# Altium PCB mchf_pro_ui.PcbDoc (part 4 of 5)
Units mil, origin at the board's own origin, x right, y up, seen from the top; angles counter-clockwise.
Board outline 7877.73 x 5661.04 mil, 2 copper layers (Top Layer, Bottom Layer); 336 components, 338 nets, 1291 pads, 827 vias.
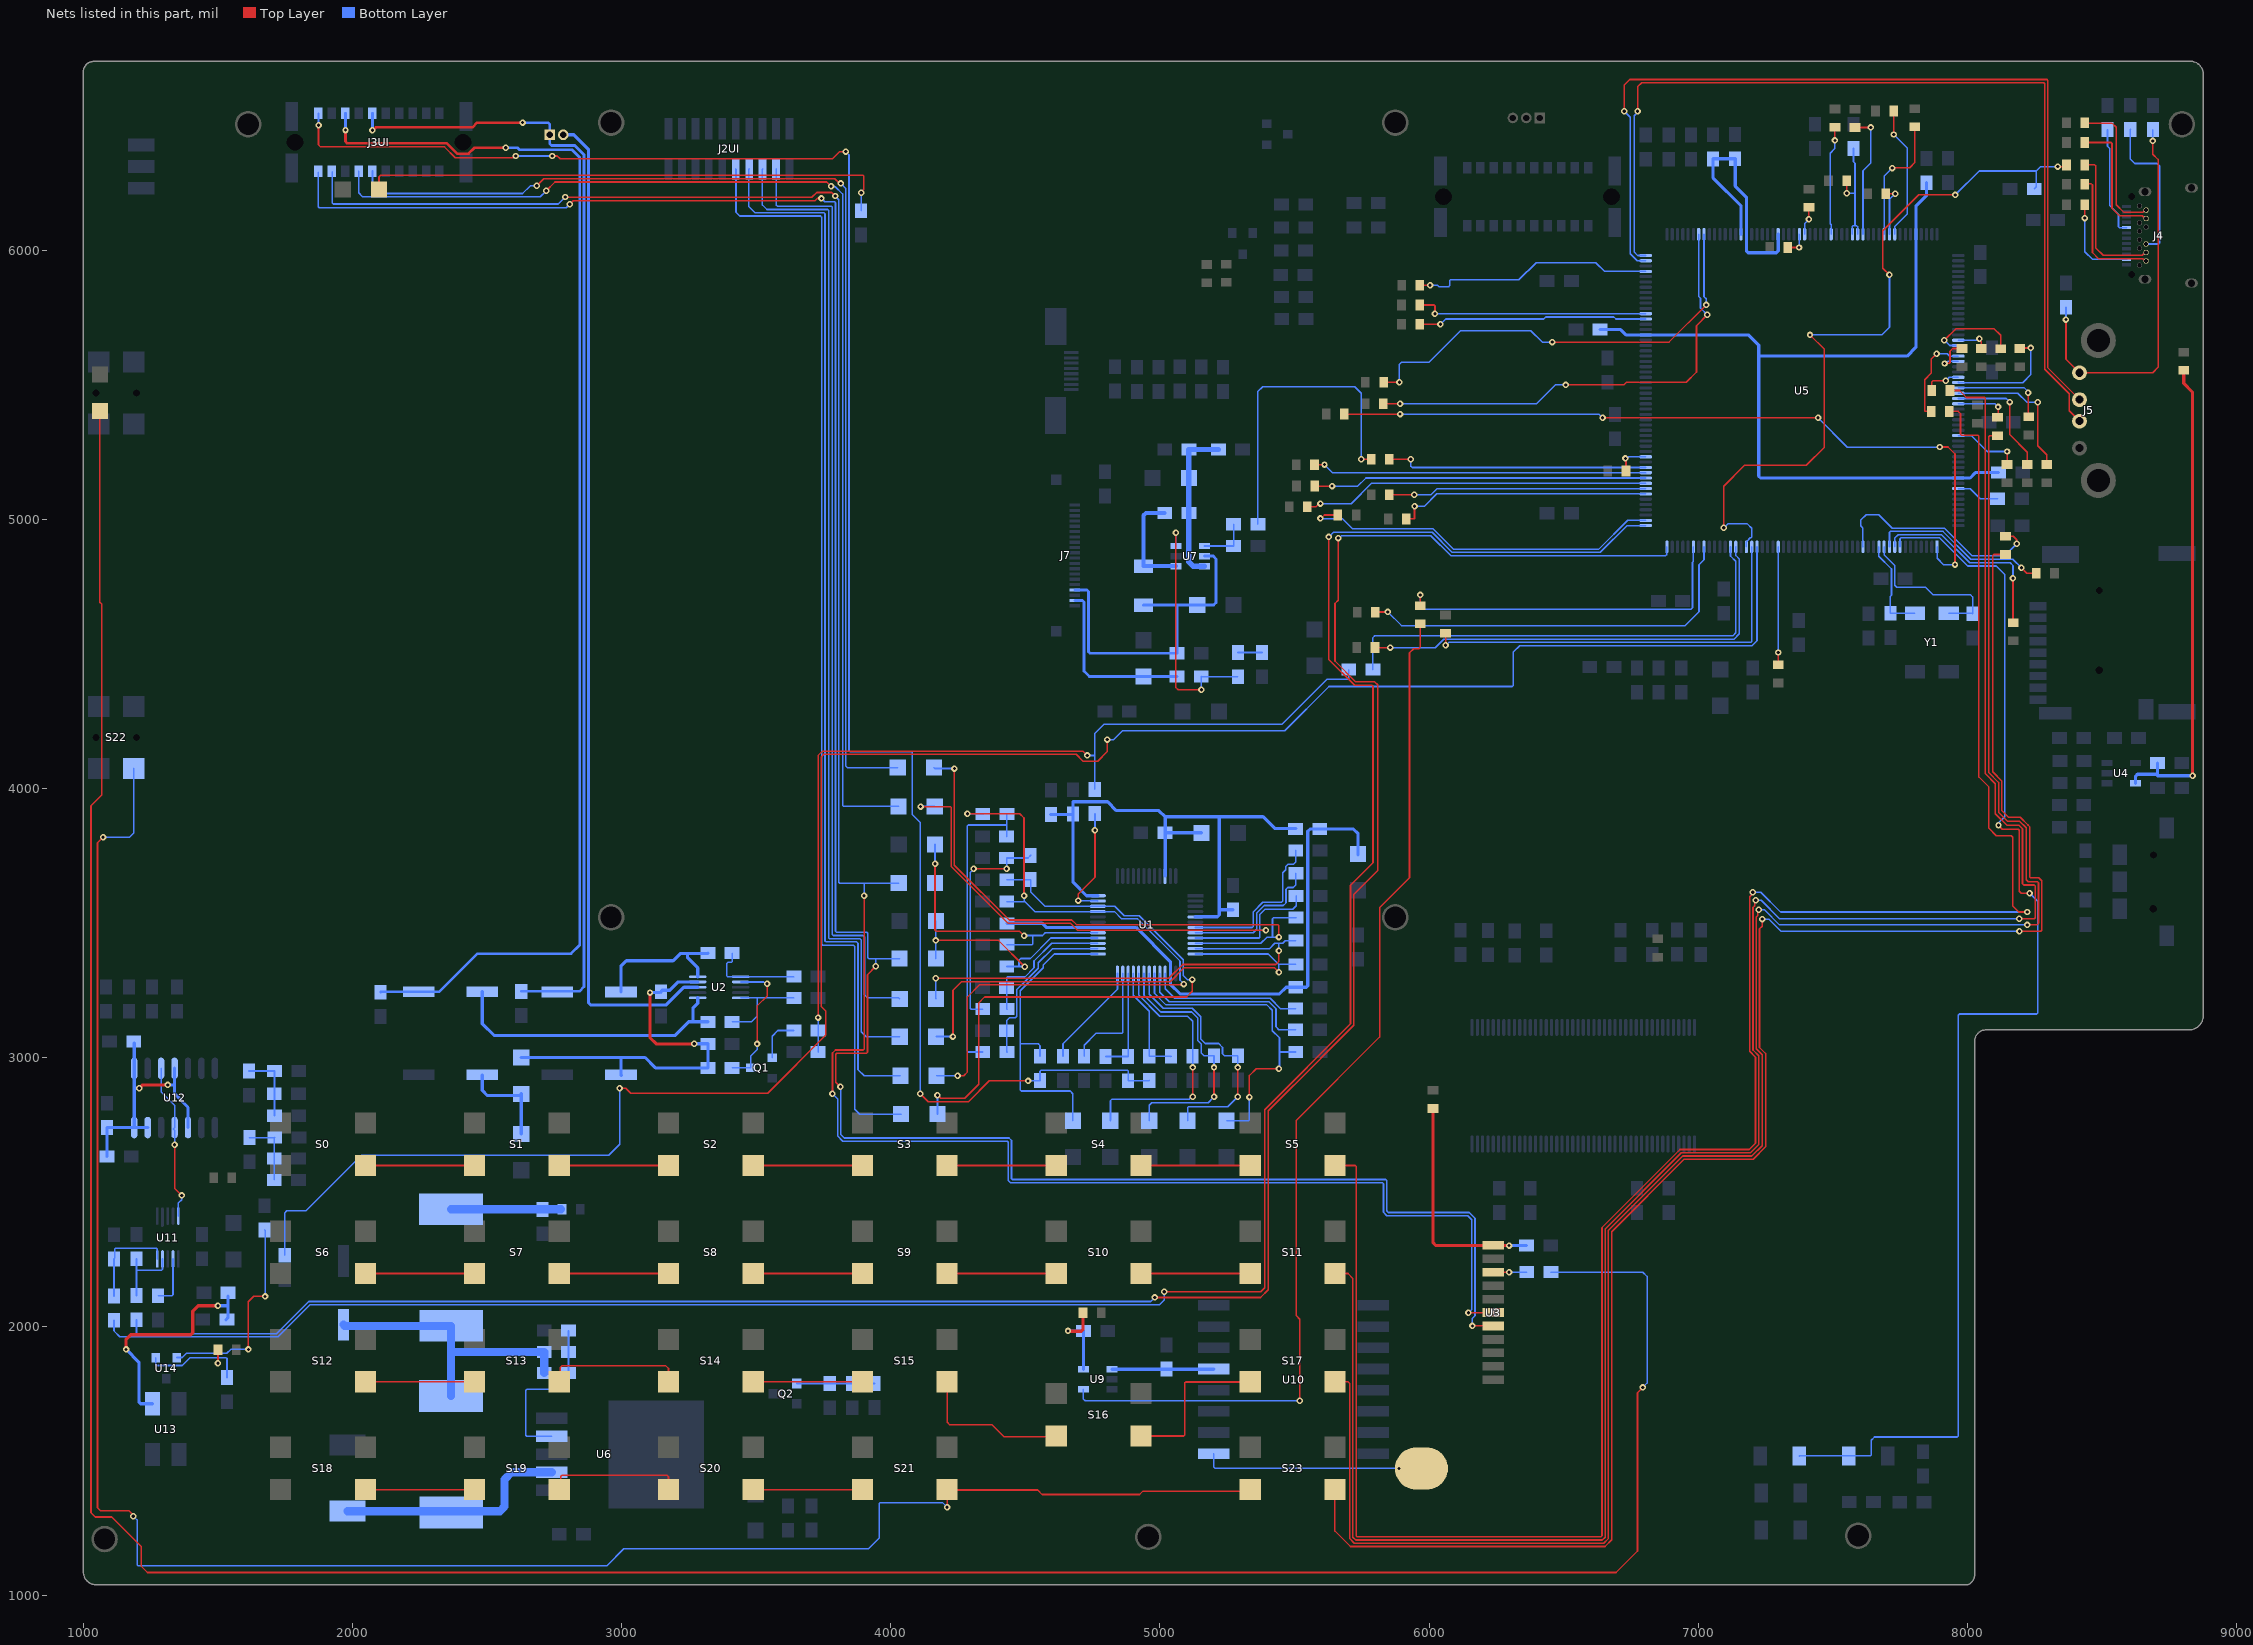
[diagram p4: the nets of this part, all layers, seen from the top]

## Via types
v1: diameter 24, hole 12, Top Layer to Bottom Layer, 621 vias
v2: diameter 30, hole 15, Top Layer to Bottom Layer, 206 vias

## Nets (pads, with @x,y where several pads share a name; then routed paths per layer and width w, separated by ;. In a path a pad name is that pad's centre, name@x,y a point inside that pad or via, vN(x,y) a via of type N, cw(c..) or ccw(c..) an arc to the next point about the centre after c; other vN are vias at no path point) (continued)
KEYPAD_Y1: M12.1 S5.4 | length 8297.9
  Top Layer w6: S5.4@5650.2,2599.37 5725.37,2599.37 5728.89,2595.86 5728.89,1223.46 5732.4,1219.94 6638.82,1219.94 6642.34,1223.46 6642.34,2368.76 6932.52,2658.94 7189.55,2658.94 7212.89,2682.29 7212.89,3002.23 7191.55,3023.57 7191.55,3598.6 7202.94,3610 v1(7202.94,3614.87) ; M12.1@7932.96,5401.57 7966.26,5401.57 7968.97,5398.86 7974.76,5393.08 7974.76,5316.09 7978.27,5312.58 8039.59,5312.58 8043.1,5309.06 8043.1,4042.66 8080.17,4005.6 8080.17,3852.29 8107.45,3825.01 8163.18,3825.01 8168.96,3819.23 8168.96,3563.9 8191.47,3541.38 v1(8222.86,3541.38)
  Bottom Layer w6: v1(7202.94,3614.87) 7232.64,3614.87 7306.13,3541.38 v1(8222.86,3541.38)
KEYPAD_Y2: M33.1 S11.4 | length 8014.7
  Top Layer w6: S11.4@5650.2,2198.03 5698.57,2198.03 5716.89,2179.71 5716.89,1218.49 5727.43,1207.94 6643.79,1207.94 6654.34,1218.49 6654.34,2363.79 6937.49,2646.94 7194.52,2646.94 7224.89,2677.32 7224.89,3007.2 7203.55,3028.54 7203.55,3558.07 7210.49,3565.01 7210.49,3581.38 v1(7213.93,3584.82) ; M33.1@7935.58,5479.05 7970.89,5479.05 7996.97,5452.98 8063.59,5452.98 8067.1,5449.46 8067.1,4054.82 8104.17,4017.76 8104.17,3906.85 8147.66,3863.36 8192.06,3863.36 8204.96,3850.46 8204.96,3646.54 8209.93,3641.57 8248.81,3641.57 8252.33,3638.05 8252.33,3520.16 8248.81,3516.65 v1(8192.96,3516.65)
  Bottom Layer w6: v1(7213.93,3584.82) 7233.99,3584.82 7302.16,3516.65 v1(8192.96,3516.65)
KEYPAD_Y3: M37.1 S17.4 | length 7377.3
  Top Layer w6: S17.4@5650.2,1796.06 5698.57,1796.06 5704.89,1789.74 5704.89,1213.52 5722.46,1195.94 6648.76,1195.94 6666.34,1213.52 6666.34,2358.82 6942.46,2634.94 7199.49,2634.94 7237.91,2673.36 7237.91,3011.15 7215.9,3033.15 7215.9,3522.78 7221.49,3528.37 7221.49,3546.31 v1(7224.55,3549.37) ; M37.1@8112.16,5311.59 8083.02,5311.59 8079.1,5307.67 8079.1,4059.79 8116.17,4022.73 8116.17,3911.82 8149.03,3878.96 8194.12,3878.96 8218.42,3854.66 8218.42,3661.5 8226.35,3653.57 8260.81,3653.57 8264.33,3650.05 8264.33,3499.05 8258.78,3493.5 v1(8222.21,3493.5)
  Bottom Layer w6: v1(7224.55,3549.37) 7246.16,3549.37 7302.03,3493.5 v1(8222.21,3493.5)
KEYPAD_Y4: M36.1 S23.4 | length 6542.2
  Top Layer w6: S23.4@5650.2,1395.08 5650.2,1241.43 5707.68,1183.94 6653.74,1183.94 6678.34,1208.54 6678.34,2353.85 6947.43,2622.94 7204.46,2622.94 7250.39,2668.87 7250.39,3015.64 7227.9,3038.13 7227.9,3478.72 7237.91,3488.73 v1(7237.91,3515.09) ; M36.1@8141.61,4869.79 8097.86,4869.79 8094.11,4866.03 8094.11,4062.15 8128.3,4027.96 8128.3,3918.35 8153.26,3893.39 8196.66,3893.39 8225.56,3864.5 8231.33,3858.73 8231.33,3672.38 8234.84,3668.86 8265.41,3668.86 8276.33,3657.94 8276.33,3473.56 8272.81,3470.05 v1(8193.49,3470.05)
  Bottom Layer w6: v1(7237.91,3515.09) 7262.33,3515.09 7306.88,3470.54 8192.99,3470.54 v1(8193.49,3470.05)
LCD_BL_A: C44.1 C45.2 D11.2 J7.4 U7.5 | length 1271
  Bottom Layer w10: J7.4@4684.06,4738.19 4728.39,4738.19 4734.25,4732.33 4734.25,4508.62 4740.11,4502.76 C45.2@5063.56,4502.76 5063.56,4682.09 ; D11.2@4938.83,4681.51 4939.41,4682.09 5063.56,4682.09 ; U7.5@5165.6,4863.91 5198.1,4863.91 5208.66,4853.35 5208.66,4690.94 5199.8,4682.09 C44.1@5138.85,4682.09 5063.56,4682.09
LCD_BL_CTRL: M27.1 R42.1 | length 1176.6
  Top Layer w6: v1(5747.98,5224.07) M27.1@5785.1,5224.07
  Bottom Layer w6: R42.1@5363.85,4982.28 5363.85,5475.39 5381.57,5493.11 5723.94,5493.11 5747.98,5469.07 v1(5747.98,5224.07)
LCD_BL_K: J7.2 R45.2 R46.2 | length 646.9
  Bottom Layer w10: J7.2@4684.06,4698.82 4711.85,4698.82 4717.71,4692.96 4717.71,4436.31 4737.68,4416.34 R46.2@4938.83,4416.34 R45.2@5063.56,4416.34
LCD_VDD: C41.2 C42.1 RFC5.2 RFC6.1 U7.6 | length 591.5
  Bottom Layer w20: U7.6@5165.6,4826.51 5123.3,4826.51 5117.16,4832.65 5107.72,4842.09 RFC6.1@5107.72,5024.37 C42.1@5107.72,5154.11 C41.2@5107.72,5259.84 RFC5.2@5217.09,5259.84
LINE_IN_L: C10.2 J3UI.A4 | length 4406.2
  Top Layer w6: v1(2719.49,6221.26) 2752.16,6253.94 3761.75,6253.94 v1(3778.04,6237.65)
  Bottom Layer w6: J3UI.A4@2023.03,6293.31 J3UI.A4@2023.03,6293.31 2022.98,6213.38 2037.35,6199.01 2697.83,6199.01 2719.49,6220.66 v1(2719.49,6221.26) ; v1(3778.04,6237.65) 3779.43,6236.26 3793.79,6236.26 3820.83,6209.22 3820.83,3937.57 3824.34,3934.05 C10.2@4028.54,3934.05
LINE_IN_R: C11.2 J3UI.A5 | length 4219.4
  Top Layer w6: v1(2684.06,6240.16) 2710.26,6266.36 3791.52,6266.36 3809.18,6248.71 v1(3814.05,6248.71)
  Bottom Layer w6: J3UI.A5@2074.12,6294.61 2074.12,6214.52 2077.63,6211.01 2631.89,6211.01 2661.04,6240.16 v1(2684.06,6240.16) ; v1(3814.05,6248.71) 3832.83,6229.92 3832.83,4084.19 3839.26,4077.76 C11.2@4025.59,4077.76
LINE_OUT_L: C4.2 J3UI.A1 U3.7 | length 9015.3
  Top Layer w6: v1(2807.2,6171.26) 2820.22,6184.28 3718.55,6184.28 3727.25,6192.98 v1(3742,6192.98) ; v1(3812.99,2891.73) 3795.97,2908.76 3795.97,3013.14 3799.48,3016.65 3909.83,3016.65 3913.34,3020.17 3913.34,3308.72 v1(3944.19,3339.57) ; v1(6161.09,2003.64) 6237.7,2003.64 U3.7@6238.19,2003.15
  Bottom Layer w6: J3UI.A1@1873.03,6289.95 1873.03,6161.98 1876.55,6158.46 2794.41,6158.46 v1(2807.2,6171.26) ; v1(3742,6192.98) 3754.55,6180.44 3791.21,6180.44 3794.72,6176.92 3794.72,3469.77 3798.24,3466.26 3910.68,3466.26 3914.2,3462.74 3914.2,3371.92 3917.71,3368.41 3944.19,3368.41 ; v1(3812.99,2891.73) 3814.58,2890.14 3814.58,2713.84 3826.84,2701.58 4439.24,2701.58 4448.31,2692.51 4448.31,2550.92 4451.82,2547.4 5839.04,2547.4 5842.55,2543.89 5842.55,2430.88 5848.39,2425.04 6149.09,2425.04 6170.83,2403.3 6170.83,2041.39 6161.09,2031.65 v1(6161.09,2003.64) ; v1(3944.19,3339.57) 3944.19,3368.41 ; C4.2@4032.29,3368.41 3944.19,3368.41
LINE_OUT_R: C5.2 J3UI.A2 U3.6 | length 8920
  Top Layer w6: v1(2790.49,6198.14) 2791.81,6196.82 3706.42,6196.82 3724.36,6214.75 3780.34,6214.75 v1(3793.32,6201.77) ; v1(3783.26,2866.14) 3783.26,3017.4 3794.51,3028.65 3897.39,3028.65 3900.9,3032.17 v1(3900.9,3602.18) ; v1(6146.19,2052.2) 6237.24,2052.2 U3.6@6238.19,2053.15
  Bottom Layer w6: J3UI.A2@1924.21,6290.79 1924.21,6175.76 1927.73,6172.24 2764.6,6172.24 v1(2790.49,6198.14) ; v1(3783.26,2866.14) 3802.58,2846.82 3802.58,2708.87 3821.87,2689.58 4432.79,2689.58 4436.31,2686.06 4436.31,2543.5 4444.4,2535.4 5827.04,2535.4 5830.55,2531.89 5830.55,2425.47 5842.99,2413.04 6144.12,2413.04 6158.83,2398.33 6158.83,2064.84 v1(6146.19,2052.2) ; v1(3793.32,6201.77) 3807.04,6188.05 3807.04,3652.15 3810.56,3648.63 3900.9,3648.63 ; v1(3900.9,3602.18) 3900.9,3648.63 ; C5.2@4029.34,3648.63 3900.9,3648.63
LO_SCL: R51.2 U5.52 | length 8681.2
  Top Layer w6: v1(4980.31,2109.25) 5373.64,2109.25 5402.56,2138.17 5402.56,2802.56 5597.44,2997.44 5597.44,2998.03 5720.2,3120.79 5720.2,3606.07 5809.58,3695.45 5809.58,4385.33 5798.58,4396.34 5728,4396.34 5650.37,4473.97 5650.37,4687.76 5662.37,4699.76 v1(5662.37,4930.92)
  Bottom Layer w6: R51.2@1197.33,2026.6 1197.33,1978.58 1200.84,1975.07 1717.94,1975.07 1837.19,2094.32 4965.39,2094.32 v1(4980.31,2109.25) ; v1(5662.37,4930.92) 5666.14,4930.92 5674.88,4939.66 6006.59,4939.66 6080.43,4865.82 6879.2,4865.82 6882.71,4869.34 6882.71,4897.09 U5.52@6883.82,4898.21
LO_SDA: R52.2 U5.53 | length 8736.3
  Top Layer w6: v1(5015.79,2130.25) 5374.58,2130.25 5389.11,2144.78 5389.11,2806.67 5708.2,3125.76 5708.2,3640.97 5791.68,3724.45 5791.68,4380.05 5788.17,4383.56 5723.8,4383.56 5627.54,4479.83 v1(5627.54,4934.92)
  Bottom Layer w6: R52.2@1113.64,2024.6 1113.64,1984.78 1135.36,1963.07 1722.91,1963.07 1842.16,2082.32 4998.36,2082.32 5015.79,2099.76 v1(5015.79,2130.25) ; v1(5627.54,4934.92) 5644.54,4951.92 6011.3,4951.92 6085.4,4877.82 6636.02,4877.82 6735.15,4976.95 U5.53@6805.08,4976.95
LORA_POWER: M17.1 U9.4 | length 3937.1
  Top Layer w6: v1(5519.82,1725.05) 5519.82,2028.25 5506.28,2041.79 5506.28,2766.67 5816.2,3076.58 5816.2,3557.07 5927.35,3668.23 5927.35,4504.34 5942.77,4519.76 5961.43,4519.76 5967.52,4525.85 M17.1@5967.52,4611.76
  Bottom Layer w6: U9.4@4715.55,1767.72 4715.55,1732.04 4722.54,1725.05 v1(5519.82,1725.05)
MIC_IN: C12.2 C13.2 J3UI.A11 R2.1 | length 6834.9
  Top Layer w6: v1(1873.72,6464.79) 1873.72,6391.79 1881.35,6384.16 2341.54,6384.16 2381.44,6344.26 2595.29,6344.26 2601.43,6350.39 v1(2606.3,6350.39) ; v1(2742.13,6350.39) 2761.02,6350.39 2771.29,6340.12 3783.03,6340.12 3809.61,6366.7 v1(3832.7,6366.7) ; v1(4109.25,2866.14) 4138.78,2836.61 4289,2836.61 4366.28,2913.9 v1(4509.88,2913.9)
  Bottom Layer w6: J3UI.A11@1873.03,6509.84 1873.72,6509.16 v1(1873.72,6464.79) ; v1(2606.3,6350.39) v1(2742.13,6350.39) ; v1(3832.7,6366.7) 3832.7,6366.3 3844.83,6354.17 3844.83,4140.71 3848.34,4137.19 4076.13,4137.19 4079.64,4133.68 4079.64,3903.34 4109.25,3873.74 v1(4109.25,2866.14) ; v1(4509.88,2913.9) 4552.93,2913.9 R2.1@4554.3,2915.27 4554.3,2949.99 4557.82,2953.51 4879.45,2953.51 4882.97,2949.99 4882.97,2915.75 C13.2@4881.57,2914.36 4959.4,2914.36 C12.2@4960.31,2915.27
MUTE: C15.2 R1.1 R8.2 R31.2 | length 3411.7
  Top Layer w6: v1(3729.76,3148.96) 3729.76,4122.58 3746.21,4139.03 4713.87,4139.03 v1(4729.87,4123.03)
  Bottom Layer w6: C15.2@3729.76,3021.17 R8.2@3729.76,3100.91 v1(3729.76,3148.96) ; v1(4729.87,4123.03) 4757.64,4123.03 ; R1.1@4757.64,3996.89 4757.64,4123.03 ; R31.2@5701.34,4441.93 5701.34,4409.23 5697.82,4405.71 5620.63,4405.71 5453.84,4238.92 4791.79,4238.92 4757.64,4204.77 4757.64,4123.03
NetC1_1: C1.1 CC5.1 CC36.1 CC46.1 M0.1 RFC1.1 U1.5 U1.36 U1.46 | length 2230.2
  Bottom Layer w12: M0.1@4594.63,3904.1 4675.99,3904.1 CC36.1@4677.38,3905.49 ; U1.36@4769.37,3602.09 4727.11,3602.09 4677.38,3651.81 CC36.1@4677.38,3905.49 ; CC46.1@5018.51,3835.73 5019.37,3836.58 5019.37,3894.89 4996.01,3918.25 4838.22,3918.25 4805.39,3951.08 4677.38,3951.08 CC36.1@4677.38,3905.49 ; 5018.72,3895.53 5218.44,3895.53 ; U1.46@5019.37,3674.92 5019.37,3835.5 C1.1@5154.51,3835.5 ; U1.5@5131.57,3523.35 5213.07,3523.35 5220.1,3530.38 5220.1,3550.49 ; CC5.1@5271.87,3550.13 5220.46,3550.13 5220.1,3550.49 ; RFC1.1@5506.03,3852.01 5426.95,3852.01 5383.42,3895.53 5218.44,3895.53 ; 5218.44,3895.53 5220.1,3893.88 5220.1,3550.49
NetC2_1: C2.1 C4.1 CC28.2 U1.28 | length 928.9
  Top Layer w6: v1(4167.29,3435.82) 4400.24,3435.82 v1(4497.99,3338.07)
  Bottom Layer w6: C2.1@4167.29,3508.53 v1(4167.29,3435.82) C4.1@4167.29,3368.41 C4.1@4167.39,3368.51 ; CC28.2@4431.09,3339 4476.21,3339 ; v1(4497.99,3338.07) 4497.06,3339 4476.21,3339 ; U1.28@4769.37,3444.61 4594.63,3444.61 4518.83,3368.81 4483.29,3368.81 4476.21,3361.72 4476.21,3339
NetC3_1: C3.1 C5.1 CC29.2 U1.29 | length 1137.5
  Top Layer w6: v1(4164.34,3720.58) 4164.34,3473.28 4167.85,3469.76 4478.32,3469.76 v1(4495.03,3453.06)
  Bottom Layer w6: C5.1@4164.34,3648.63 C3.1@4164.34,3792.53 ; CC29.2@4431.89,3420.35 4525.71,3420.35 4527.66,3422.3 4527.66,3453.99 ; v1(4495.03,3453.06) 4495.97,3453.99 4527.66,3453.99 ; U1.29@4769.37,3464.29 4573.99,3464.29 4563.69,3453.99 4527.66,3453.99
NetC6_1: C6.1 CC33.1 R3.1 U1.33 | length 2637.4
  Top Layer w6: v1(4248.03,2933.07) 4270.92,2933.07 4284.7,2946.85 4284.7,3225.64 4329.76,3270.7 5085.92,3270.7 v1(5088.66,3273.44) v1@5091.41,3273.44 ; v1(4284.7,3906.8) 4479.16,3906.8 4495.03,3890.93 v1(4495.03,3602.18)
  Bottom Layer w6: C6.1@4170.43,2933.07 v1(4248.03,2933.07) ; v1(4284.7,3906.8) 4340.26,3906.8 R3.1@4341.57,3905.49 ; CC33.1@4431.14,3579.78 4495.97,3579.78 ; v1(4495.03,3602.18) 4495.97,3601.24 4495.97,3579.78 ; v1(5088.66,3273.44) 5088.66,3274.58 5074.37,3288.87 5074.37,3359.13 4917.84,3515.66 4858.29,3515.66 4830.92,3543.03 U1.33@4769.37,3543.03 4535.12,3543.03 4498.37,3579.78 4495.97,3579.78
NetC6_2: C6.2 J2UI.A14 | length 3898.6
  Bottom Layer w6: J2UI.A14@3473.82,6301.97 3472.56,6300.71 3472.56,6162.47 3495.57,6139.46 3751.8,6139.46 3755.4,6135.86 3755.4,3433.77 3758.91,3430.26 3873.44,3430.26 3878.2,3425.5 3878.2,2955.78 3900.9,2933.07 C6.2@4035.43,2933.07
NetC7_1: C7.1 CC34.1 R4.1 U1.34 | length 2311.5
  Top Layer w6: v1(4173.39,2860.66) 4175.07,2860.66 4185.9,2849.83 4275.03,2849.83 4326.28,2901.08 4326.28,3203.25 4348.43,3225.39 5098.91,3225.39 5120.33,3246.81 v1(5120.33,3290.27)
  Bottom Layer w6: C7.1@4173.39,2790.35 v1(4173.39,2860.66) ; CC34.1@4431.03,3661.34 4519.18,3661.34 R4.1@4519.59,3661.75 4519.59,3615.67 4572.57,3562.69 4769.34,3562.69 4832.06,3562.72 4867.12,3527.66 4922.81,3527.66 5086.37,3364.1 5086.37,3305.12 5101.21,3290.27 v1(5120.33,3290.27)
NetC7_2: C7.2 J2UI.A15 | length 4099.3
  Bottom Layer w6: J2UI.A15@3423.82,6301.97 3424.89,6300.9 3424.89,6141.05 3438.48,6127.46 3739.02,6127.46 3743.26,6123.23 3743.26,3421.77 3746.78,3418.26 3861.44,3418.26 3866.2,3413.5 3866.2,2809 3884.84,2790.35 C7.2@4038.39,2790.35
NetC8_1: C8.1 CC11.2 U1.11 | length 1831.1
  Top Layer w6: v1(4167.29,3295.07) 5033.23,3295.07 5084.49,3346.34 5430.48,3346.34 5441.97,3357.82 v1(5441.97,3397.33)
  Bottom Layer w6: v1(4167.29,3295.07) 4167.29,3219.73 C8.1@4168.51,3218.5 ; U1.11@5131.57,3405.24 5407.13,3405.24 5426.81,3424.92 5441.34,3424.92 ; v1(5441.97,3397.33) 5441.34,3397.96 5441.34,3424.92 ; CC11.2@5505.27,3434.97 5465.92,3434.97 5455.88,3424.92 5441.34,3424.92
NetC8_2: C8.2 J2UI.A12 | length 3525
  Bottom Layer w6: J2UI.A12@3573.82,6301.97 3574.47,6301.31 3574.47,6167.77 3577.99,6164.26 3779.14,6164.26 3782.65,6160.74 3782.65,3457.82 3786.22,3454.26 3897.44,3454.26 3902.2,3449.5 3902.2,3233.43 3913.39,3222.24 4029.78,3222.24 C8.2@4033.51,3218.5
NetC9_1: C9.1 CC12.2 U1.12 | length 1906.2
  Top Layer w6: v1(4230.92,3078.74) 4230.92,3250.83 4262.8,3282.7 5037.83,3282.7 5089.47,3334.34 5425.51,3334.34 v1(5441.97,3317.89)
  Bottom Layer w6: C9.1@4168.51,3078.1 4169.15,3078.74 v1(4230.92,3078.74) ; U1.12@5131.57,3385.55 5402,3385.55 5440.66,3346.89 5441.34,3346.89 ; v1(5441.97,3317.89) 5441.34,3318.51 5441.34,3346.89 ; CC12.2@5505.27,3346.89 5441.34,3346.89
NetC9_2: C9.2 J2UI.A13 | length 3707.2
  Bottom Layer w6: J2UI.A13@3523.82,6301.97 3523,6301.15 3523,6168.32 3539.72,6151.6 3765.32,6151.6 3768.84,6148.09 3768.84,3445.77 3772.35,3442.26 3885.44,3442.26 3890.2,3437.5 3890.2,3096.49 3908.58,3078.1 C9.2@4033.51,3078.1
NetC10_1: C10.1 CC9.1 U1.9 | length 2189.1
  Top Layer w6: v1(4110.43,3933.03) 4220.71,3933.03 4224.22,3929.51 4224.22,3710.17 4435.13,3499.26 4583.15,3499.26 4583.54,3499.65 4667.81,3499.65 4693.74,3473.72 v1(5393.97,3473.72)
  Bottom Layer w6: v1(4110.43,3933.03) 4111.46,3934.05 C10.1@4163.54,3934.05 ; U1.9@5131.57,3444.61 5367.94,3444.61 5371.45,3448.12 5371.45,3473.72 ; v1(5393.97,3473.72) 5371.45,3473.72 ; CC9.1@5506.03,3601.11 5506.03,3564.21 5493.69,3551.87 5390.63,3551.87 5371.45,3532.69 5371.45,3473.72
NetC11_1: C11.1 CC10.1 U1.10 | length 2254.5
  Top Layer w6: v1(4236.22,4074.43) 4236.22,3715.14 4439.71,3511.65 4672.78,3511.65 4689.71,3494.72 5438.45,3494.72 5441.97,3491.21 v1(5441.97,3448.12)
  Bottom Layer w6: C11.1@4160.59,4077.76 4163.92,4074.43 v1(4236.22,4074.43) ; U1.10@5131.57,3424.92 5374.28,3424.92 5397.48,3448.12 5418.36,3448.12 ; v1(5441.97,3448.12) 5419.81,3448.12 5418.36,3449.58 5418.36,3516.85 5421.87,3520.37 CC10.1@5505.62,3520.37
NetC12_1: C12.1 CC21.1 U1.21 | length 414
  Bottom Layer w6: U1.21@4901.26,3312.72 4901.26,3232.02 4960.31,3172.97 C12.1@4960.31,3005.27 5039.85,3005.27 5040.76,3004.36 CC21.1@5041.67,3005.27
NetC13_1: C13.1 CC22.1 U1.22 | length 392
  Bottom Layer w6: CC22.1@4797.97,3004.36 C13.1@4881.57,3004.36 U1.22@4881.57,3312.72
NetC16_1: C16.1 C18.2 R9.1 R10.1 R15.2 U2.9 | length 1450.9
  Top Layer w12: v1(3105.32,3242.13) 3105.32,3074.52 3128.45,3051.39 3269.42,3051.39 v1(3269.87,3051.84)
  Bottom Layer w12: R15.2@2626.97,3000.74 2997.05,3000.74 ; C16.1@2998.18,2935.04 C16.1@2997.19,2936.03 2997.19,3000.59 2997.05,3000.74 ; v1(3105.32,3242.13) 3142.63,3242.13 3150.99,3250.49 3179.36,3250.49 3210.37,3281.5 U2.9@3282.48,3281.5 ; v1(3269.87,3051.84) 3319.77,3051.84 R10.1@3320.43,3051.18 R9.1@3320.43,2962.15 3125.44,2962.15 3086.86,3000.74 2997.05,3000.74
NetC17_1: C17.1 R15.1 R16.2 | length 361.9
  Bottom Layer w12: C17.1@2482.28,2936.03 2482.28,2878.4 2501.43,2859.25 2620.48,2859.25 R15.1@2626.97,2865.74 R16.2@2626.97,2716.75
NetC19_1: C19.1 R13.1 U2.10 | length 540.2
  Bottom Layer w12: C19.1@2997.05,3244.09 2997.05,3339.57 3017.72,3360.24 3190.94,3360.24 3217.52,3386.81 3245.08,3386.81 ; U2.10@3282.48,3301.18 3282.48,3333.66 3245.08,3371.06 3245.08,3386.81 ; R13.1@3320.43,3388.47 3318.78,3386.81 3245.08,3386.81
NetC20_1: C20.1 R14.1 U2.6 | length 1093.4
  Bottom Layer w12: C20.1@2482.28,3245.38 2482.28,3125.98 2525.59,3082.68 3198.82,3082.68 3249.36,3133.22 3263.78,3133.22 ; U2.6@3282.48,3222.44 3282.48,3201.77 3264.76,3184.06 3264.76,3134.2 3263.78,3133.22 ; R14.1@3320.43,3133.22 3263.78,3133.22
NetC21_2: C21.2 M2.2 U3.1 | length 851.3
  Top Layer w12: M2.2@6014.76,2811.44 6014.76,2312.17 6024.76,2302.17 6238.19,2302.17 6238.68,2302.66 6296.99,2302.66 v1(6297.49,2302.17)
  Bottom Layer w12: v1(6297.49,2302.17) C21.2@6362.2,2302.17
NetC26_2: C26.2 J5.4 RFC2.2 | length 1455.6
  Top Layer w6: v1(8366.51,5742.6) 8366.51,5595.49 J5.4@8416.94,5545.05 8688.66,5545.05 8708.66,5565.05 8708.66,6337.26 8689.21,6356.71 v1(8689.21,6406.27)
  Bottom Layer w6: C26.2@8366.23,5788.08 8366.51,5787.8 v1(8366.51,5742.6) ; v1(8689.21,6406.27) RFC2.2@8689.21,6448.56
NetC27_2: C27.2 M4.2 U4.5 | length 1808.1
  Top Layer w12: M4.2@8802.77,5552.68 M4.2@8803.95,5553.85 ; M4.2@8803.95,5551.97 8803.95,5505.91 8836.18,5473.67 8836.18,4048.26 v1(8836.92,4047.53)
  Bottom Layer w12: U4.5@8625.03,4020.16 8625.03,4046.36 8632.06,4053.39 8706.5,4053.39 ; C27.2@8706.5,4094.97 8706.5,4047.7 8706.68,4047.53 v1(8836.92,4047.53)
NetC32_1: C32.1 U5.11 Y1.1 | length 617.5
  Bottom Layer w6: U5.11@7690.91,4898.21 7690.91,4867.83 7730.06,4828.68 7730.06,4755.65 7737.82,4747.89 7844.93,4747.89 7872.63,4720.19 8011.52,4720.19 8019.53,4712.18 C32.1@8019.53,4649.9 8018.39,4651.05 Y1.1@7931.07,4651.05
NetC33_2: C33.2 U5.12 Y1.4 | length 359.1
  Bottom Layer w6: U5.12@7671.23,4898.21 7671.23,4862.73 7718.06,4815.9 7718.06,4717.96 7714.11,4714 C33.2@7714.11,4651.13 7714.19,4651.05 Y1.4@7805.08,4651.05
NetC36_1: C36.1 R35.1 R36.2 U6.4 | length 640.4
  Bottom Layer w6: U6.4@2740.14,1593.75 2647.39,1593.75 2643.7,1597.44 2643.7,1764.5 2647.91,1768.7 2798.89,1768.7 2802.41,1772.22 C36.1@2802.41,1828.27 R36.2@2802.41,1906.83 R35.1@2802.41,1985.73
NetC36_2: C36.2 C37.1 L1.2 R36.1 RFC4.1 | length 1087.8
  Bottom Layer w30: C37.1@1966.39,2008.13 1970.66,2003.86 RFC4.1@2366.13,2003.86 2365.9,2003.63 2365.9,1906.83 ; L1.2@2365.9,1742.75 2365.9,1906.83 ; C36.2@2712.41,1828.27 R36.1@2712.41,1906.83 2365.9,1906.83
NetC38_1: C38.1 M49.1 RFC4.2 | length 408.2
  Bottom Layer w30: RFC4.2@2365.9,2436.93 2706.69,2436.93 M49.1@2774.1,2436.93
NetC39_1: C39.1 Q2.1 R37.2 R38.1 | length 289
  Bottom Layer w6: Q2.1@3650.59,1789.57 3939.22,1789.57 R37.2@3939.51,1789.86
NetC43_1: C43.1 R44.1 | length 89.9
  Bottom Layer w6: R44.1@5289.51,4505.72 C43.1@5379.37,4505.72
NetC52_2: C52.2 M51.2 U9.5 | length 319.6
  Top Layer w12: v1(4658.46,1984.69) 4659.32,1983.83 4707.25,1983.83 4714.28,1990.86 M51.2@4714.28,2052.17
  Bottom Layer w12: v1(4658.46,1984.69) 4715.55,1984.69 U9.5@4715.55,1842.52
NetC53_2: C53.2 U9.1 U10.13 | length 378.9
  Bottom Layer w12: U9.1@4821.85,1842.52 5199.34,1842.52 U10.13@5200.32,1843.5
NetC56_2: C56.2 M53.1 M54.1 U12.1 U12.4 U12.10 U12.13 U12.14 | length 962.2
  Top Layer w12: v1(1207.25,2886.76) 1208.17,2886.76 1220.28,2898.87 v1(1313.41,2898.87)
  Bottom Layer w12: M54.1@1087.72,2633.56 1087.5,2633.78 C56.2@1087.5,2740.6 1087.64,2740.46 U12.14@1188.72,2740.46 ; M53.1@1188.72,3053.97 U12.1@1188.72,2960.46 1188.72,2886.76 ; v1(1207.25,2886.76) 1188.72,2886.76 ; U12.13@1238.72,2740.46 U12.14@1188.72,2740.46 ; v1(1313.41,2898.87) 1333.31,2898.87 ; U12.4@1338.72,2960.46 1338.72,2865.35 1388.72,2815.35 U12.10@1388.72,2740.46 ; U12.14@1188.72,2740.46 1188.72,2886.76
NetC57_1: C57.1 C58.2 R55.2 R56.1 | length 251.3
  Bottom Layer w6: R55.2@1617.13,2703.19 C57.1@1710.08,2703.19 ; C58.2@1709.29,2545.94 1709.29,2702.4 C57.1@1710.08,2703.19 ; C57.1@1710.63,2703.74 C57.1@1710.08,2703.19
NetC59_1: C59.1 C60.1 R57.2 R58.1 | length 261.2
  Bottom Layer w6: R57.2@1615.16,2950.79 C59.1@1710.04,2950.79 C60.1@1710.04,2784.45
NetC61_2: C61.2 RFC7.1 U13.4 | length 874.4
  Top Layer w12: v1(1158.6,1916.14) 1158.6,1953.54 1175.53,1970.47 1399.41,1970.47 1406.44,1977.5 1406.44,2058.21 1426.97,2078.74 v1(1499.98,2078.74)
  Bottom Layer w12: v1(1158.6,1916.14) 1206.36,1868.38 1206.36,1721.38 1213.39,1714.35 U13.4@1256.65,1714.35 ; v1(1499.98,2078.74) 1534.13,2078.74 1537.09,2081.69 ; C61.2@1529.94,2026.26 1537.09,2033.4 1537.09,2081.69 ; RFC7.1@1537.09,2113.7 1537.09,2081.69